# KiCad board LivSynth_Hardware.kicad_pcb
title: Liv Synth; date: 2023-01-23; rev: ${Version}; company: SloBlo Labs
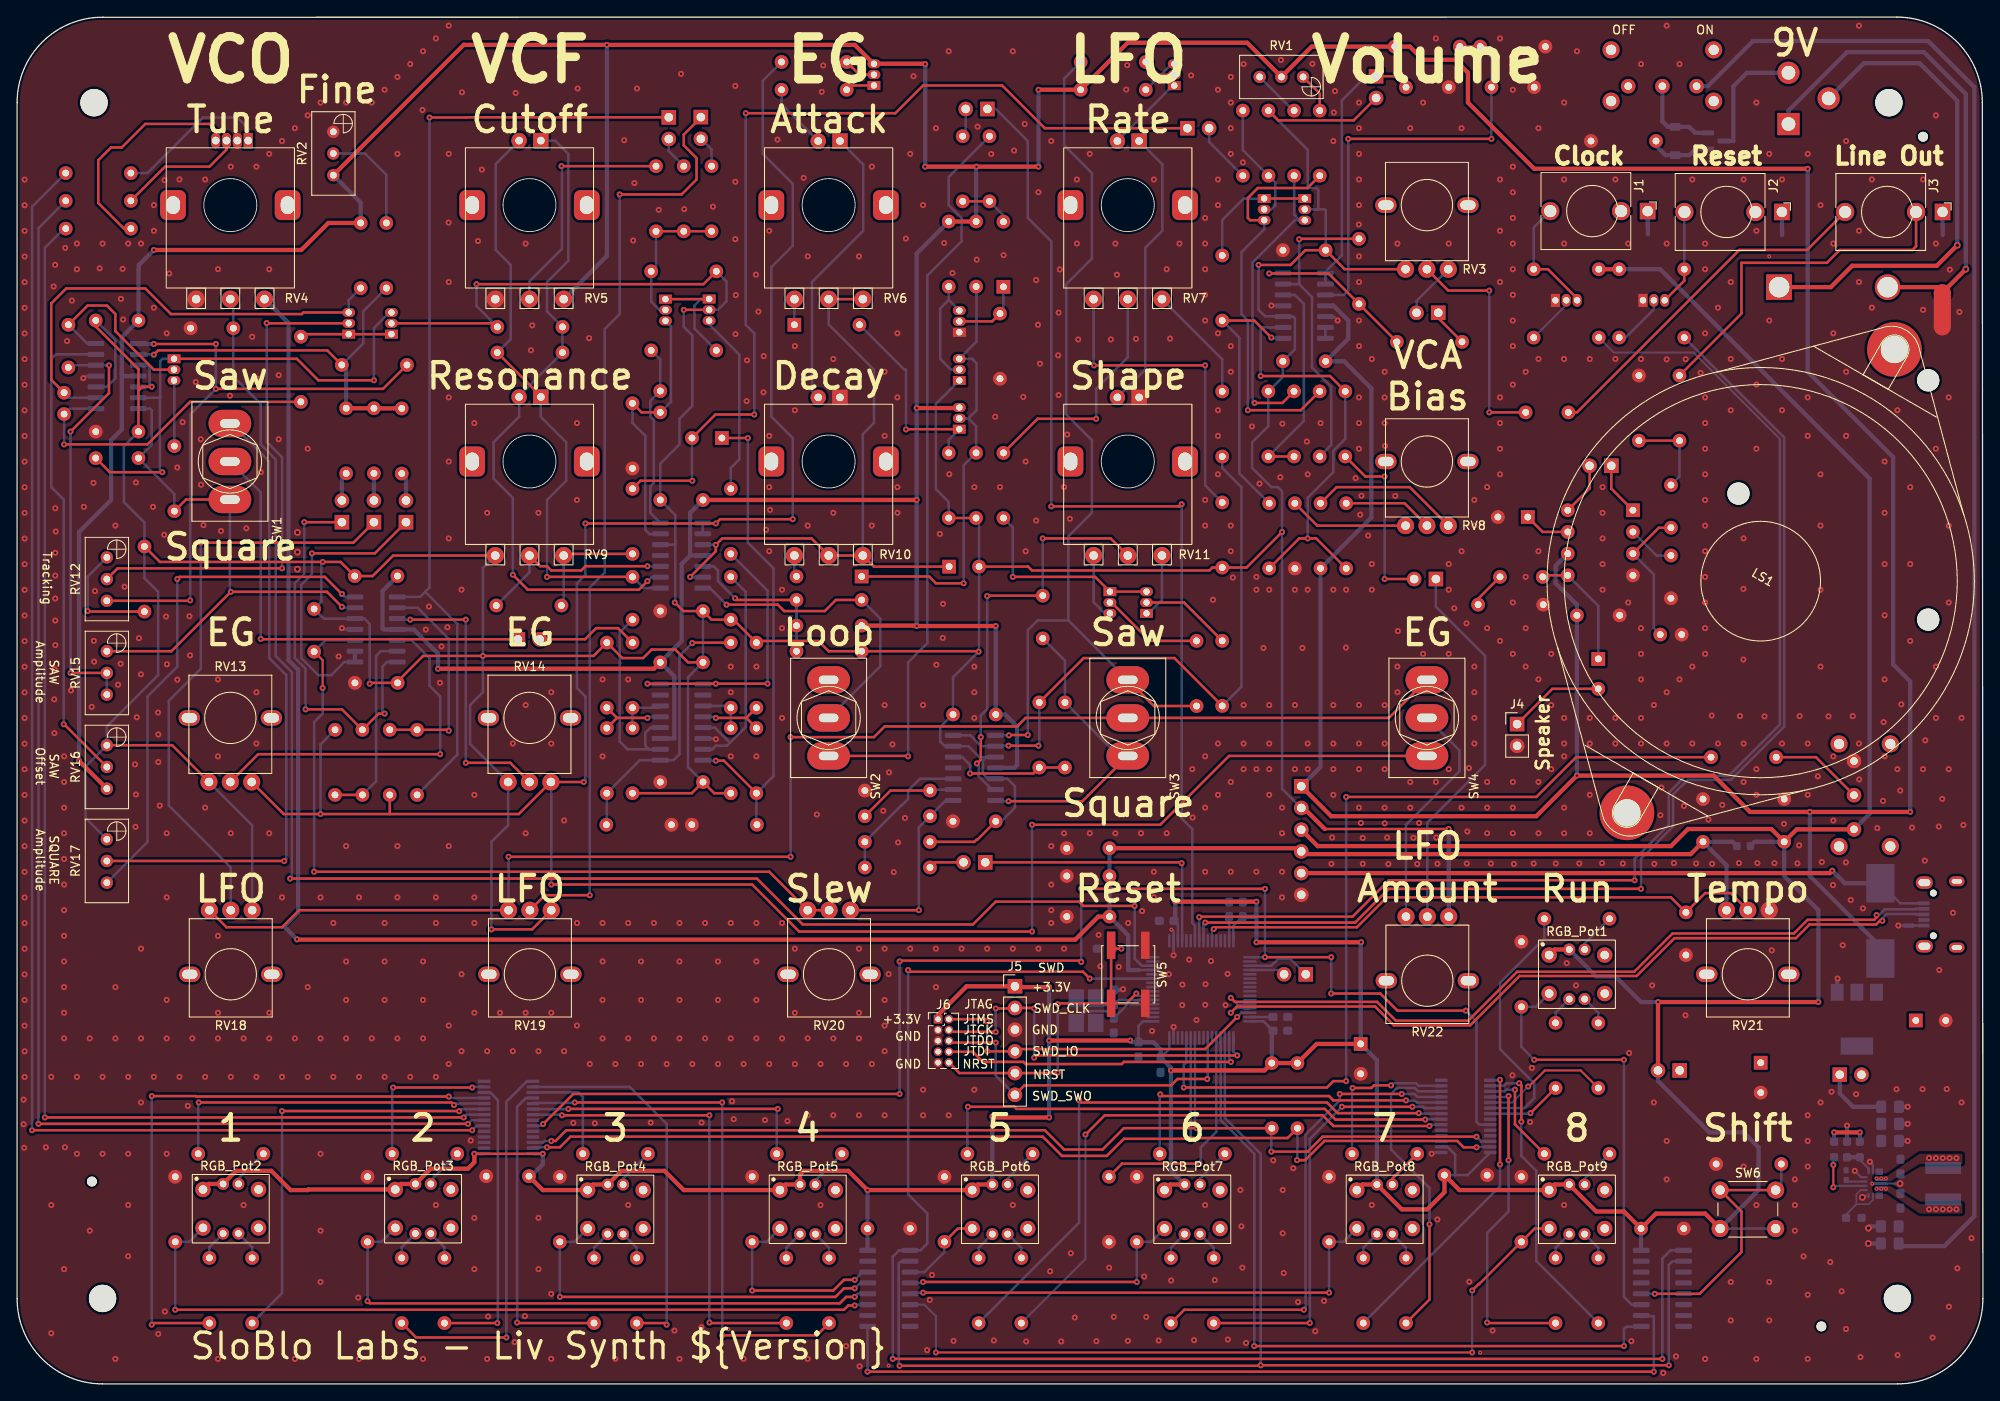
[diagram p0: board, top side]
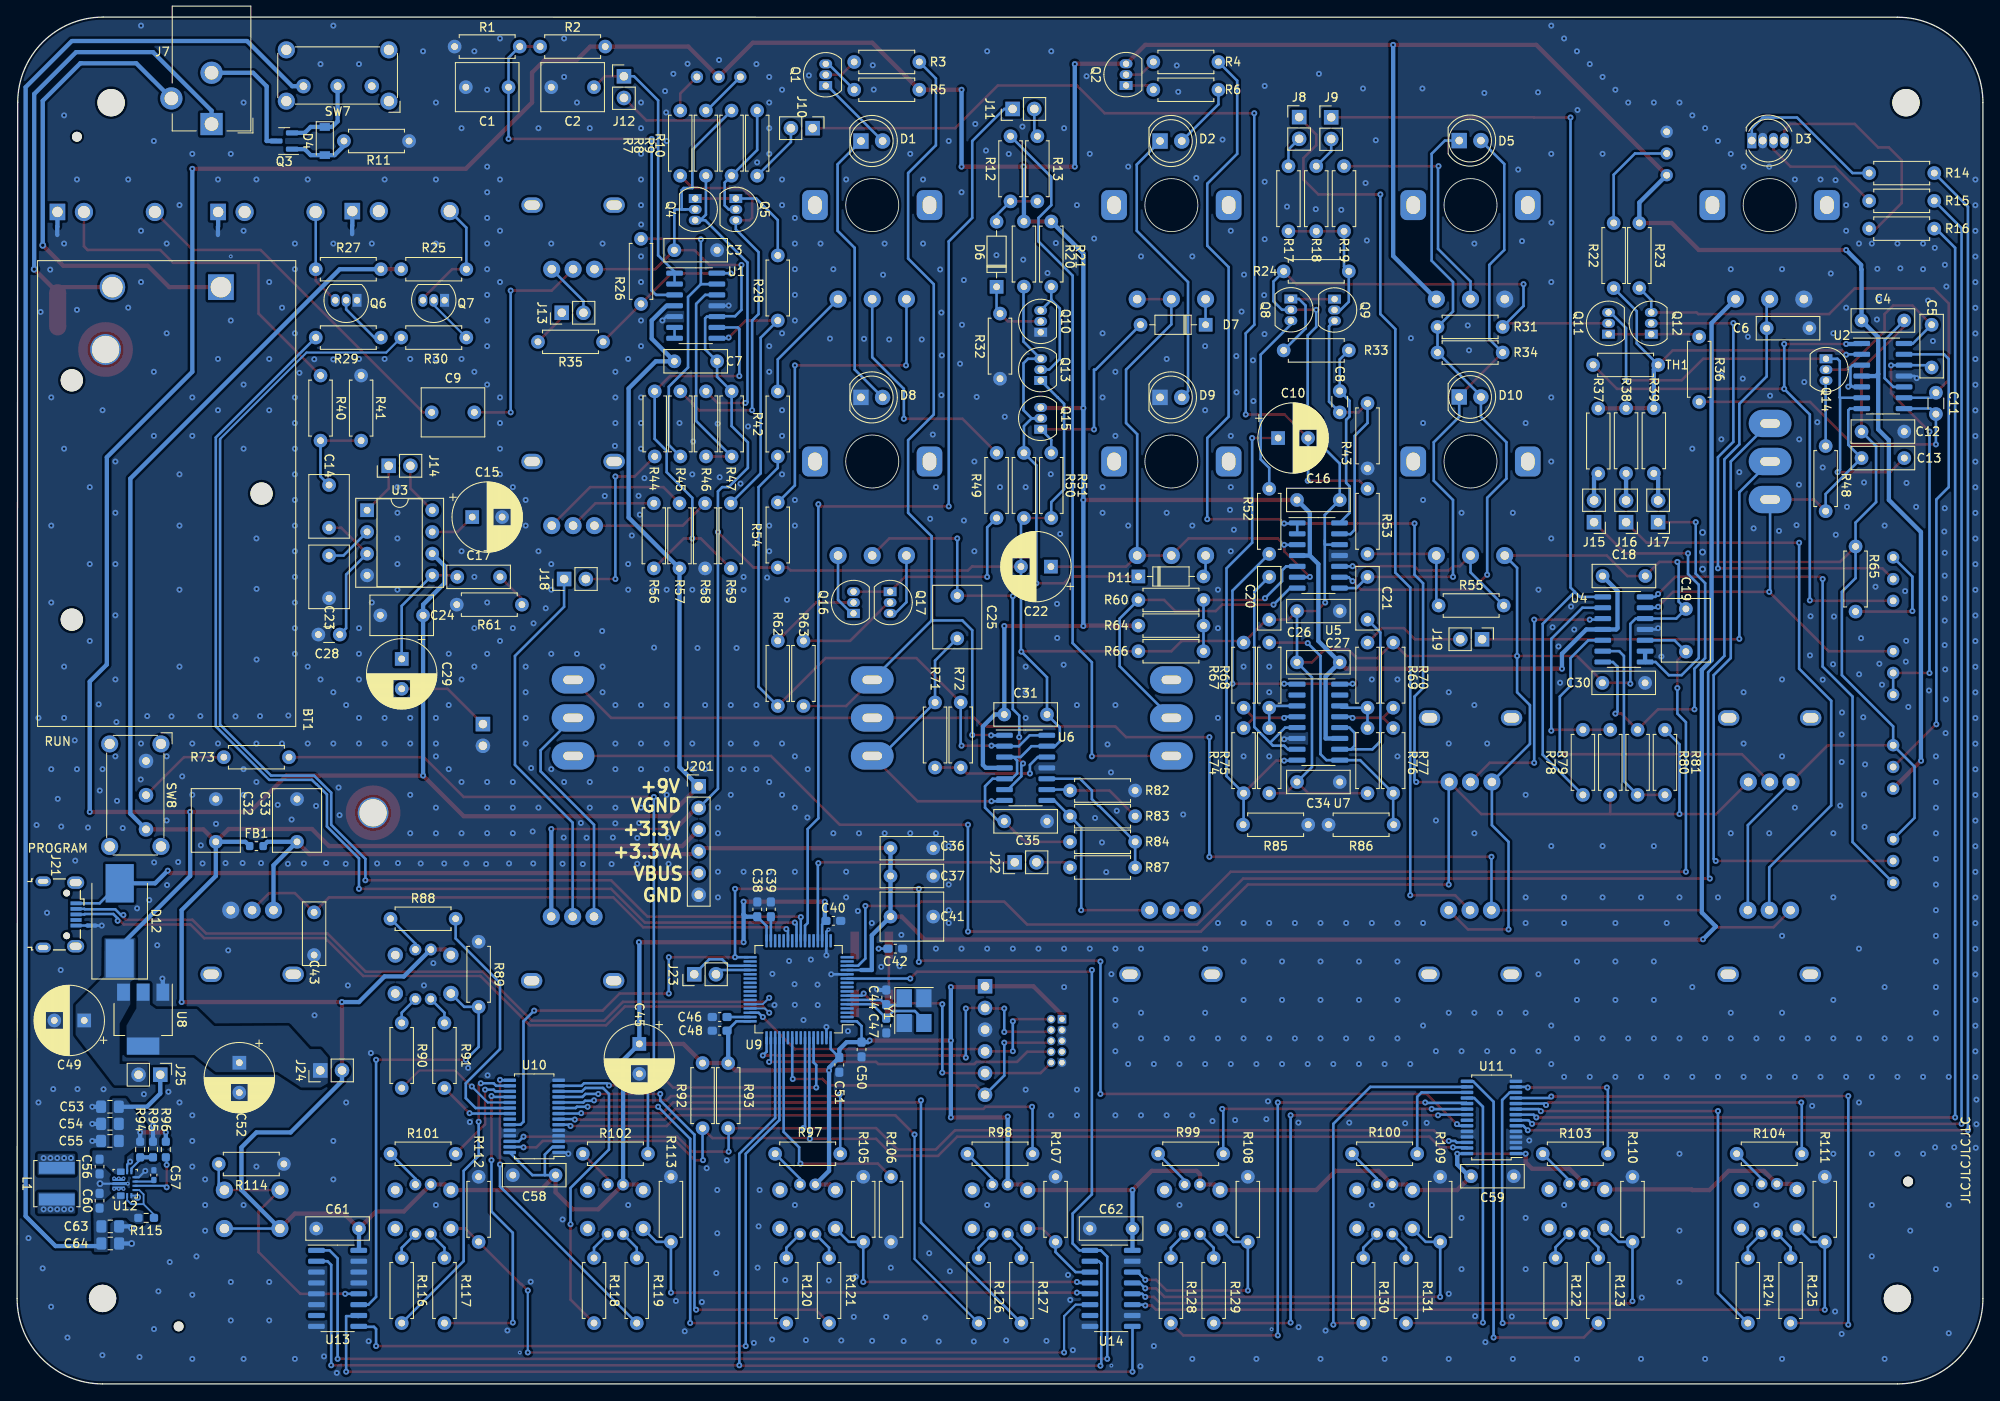
[diagram p1: board, bottom side, seen from below]

Outline 230 x 159.93 mm; copper layers: Top, Bottom. Coordinates in mm from the lower left corner of the outline.
Outline path: 0,149.91 arc(2.93,156.99) 10,159.91 219.93,159.93 arc(227,157) 229.93,149.93 230,10 arc(227.07,2.93) 220,0 10,0 arc(2.93,2.93) 0,10 0,149.91
Stack: Top 0.035mm / dielectric 1.51mm FR4 er 4.5 / Bottom 0.035mm

## Placement (name value [footprint] x y rotation side)
BT1  9V  [BatteryHolder_Eagle_12BH611-GR]  206.15 128.33 90 bottom
C1  1u  [C_Rect_L7.2mm_W5.5mm_P5.00mm_FKS2_FKP2_MKS2_MKP2]  172.5 151.73 0 bottom
C2  1u  [C_Rect_L7.2mm_W5.5mm_P5.00mm_FKS2_FKP2_MKS2_MKP2]  162.5 151.73 0 bottom
C3  100n  [C_Rect_L7.2mm_W2.5mm_P5.00mm_FKS2_FKP2_MKS2_MKP2]  153.1 132.65 180 bottom
C4  100n  [C_Rect_L7.2mm_W2.5mm_P5.00mm_FKS2_FKP2_MKS2_MKP2]  14.2 124.43 180 bottom
C5  1n  [C_Rect_L7.2mm_W2.5mm_P5.00mm_FKS2_FKP2_MKS2_MKP2]  6 118.93 90 bottom
C6  100n  [C_Rect_L7.2mm_W2.5mm_P5.00mm_FKS2_FKP2_MKS2_MKP2]  25.3 123.53 180 bottom
C7  100n  [C_Rect_L7.2mm_W2.5mm_P5.00mm_FKS2_FKP2_MKS2_MKP2]  153.1 119.65 180 bottom
C8  1p  [C_Disc_D3.0mm_W1.6mm_P2.50mm]  75.25 113.68 90 bottom
C9  1u  [C_Rect_L7.2mm_W5.5mm_P5.00mm_FKS2_FKP2_MKS2_MKP2]  181.5 113.68 180 bottom
C10  33u  [CP_Radial_D8.0mm_P3.50mm]  82.46 110.68 180 bottom
C11  1p  [C_Disc_D3.0mm_W1.6mm_P2.50mm]  5.5 115.98 270 bottom
C12  100n  [C_Rect_L7.2mm_W2.5mm_P5.00mm_FKS2_FKP2_MKS2_MKP2]  14.2 111.43 180 bottom
C13  100n  [C_Rect_L7.2mm_W2.5mm_P5.00mm_FKS2_FKP2_MKS2_MKP2]  9.2 108.33 0 bottom
C14  270n  [C_Rect_L7.2mm_W4.5mm_P5.00mm_FKS2_FKP2_MKS2_MKP2]  193.5 105.18 270 bottom
C15  10u  [CP_Radial_D8.0mm_P3.50mm]  176.75 101.43 180 bottom
C16  100n  [C_Rect_L7.2mm_W2.5mm_P5.00mm_FKS2_FKP2_MKS2_MKP2]  80.25 103.43 180 bottom
C17  100n  [C_Rect_L7.2mm_W2.5mm_P5.00mm_FKS2_FKP2_MKS2_MKP2]  178.5 94.43 180 bottom
C18  100n  [C_Rect_L7.2mm_W2.5mm_P5.00mm_FKS2_FKP2_MKS2_MKP2]  44.5 94.53 180 bottom
C19  1u  [C_Rect_L7.2mm_W5.5mm_P5.00mm_FKS2_FKP2_MKS2_MKP2]  34.75 85.68 90 bottom
C20  1n  [C_Rect_L7.2mm_W2.5mm_P5.00mm_FKS2_FKP2_MKS2_MKP2]  83.5 94.43 270 bottom
C21  10n  [C_Rect_L7.2mm_W2.5mm_P5.00mm_FKS2_FKP2_MKS2_MKP2]  72 89.43 90 bottom
C22  10u  [CP_Radial_D8.0mm_P3.50mm]  109.05 95.63 0 bottom
C23  270n  [C_Rect_L7.2mm_W4.5mm_P5.00mm_FKS2_FKP2_MKS2_MKP2]  193.5 91.93 90 bottom
C24  270n  [C_Rect_L7.2mm_W4.5mm_P5.00mm_FKS2_FKP2_MKS2_MKP2]  182.5 89.93 0 bottom
C25  1u  [C_Rect_L7.2mm_W5.5mm_P5.00mm_FKS2_FKP2_MKS2_MKP2]  120 92.23 270 bottom
C26  100n  [C_Rect_L7.2mm_W2.5mm_P5.00mm_FKS2_FKP2_MKS2_MKP2]  80.25 90.43 180 bottom
C27  100n  [C_Rect_L7.2mm_W2.5mm_P5.00mm_FKS2_FKP2_MKS2_MKP2]  75.25 84.43 0 bottom
C28  47p  [C_Disc_D3.0mm_W1.6mm_P2.50mm]  194.75 87.68 180 bottom
C29  470u  [CP_Radial_D8.0mm_P3.50mm]  185 84.83 270 bottom
C30  100n  [C_Rect_L7.2mm_W2.5mm_P5.00mm_FKS2_FKP2_MKS2_MKP2]  44.53 82.03 180 bottom
C31  100n  [C_Rect_L7.2mm_W2.5mm_P5.00mm_FKS2_FKP2_MKS2_MKP2]  114.5 78.33 180 bottom
C32  1u  [C_Rect_L7.2mm_W5.5mm_P5.00mm_FKS2_FKP2_MKS2_MKP2]  206.75 63.43 90 bottom
C33  1u  [C_Rect_L7.2mm_W5.5mm_P5.00mm_FKS2_FKP2_MKS2_MKP2]  197.25 63.43 90 bottom
C34  100n  [C_Rect_L7.2mm_W2.5mm_P5.00mm_FKS2_FKP2_MKS2_MKP2]  80.25 70.43 180 bottom
C35  100n  [C_Rect_L7.2mm_W2.5mm_P5.00mm_FKS2_FKP2_MKS2_MKP2]  114.5 65.83 180 bottom
C36  10n  [C_Rect_L7.2mm_W2.5mm_P5.00mm_FKS2_FKP2_MKS2_MKP2]  127.81 62.68 180 bottom
C37  100n  [C_Rect_L7.2mm_W2.5mm_P5.00mm_FKS2_FKP2_MKS2_MKP2]  127.81 59.43 180 bottom
C38  100n  [C_0603_1608Metric_Pad1.08x0.95mm_HandSolder]  143.4 55.53 90 bottom
C39  2.2u  [C_0603_1608Metric_Pad1.08x0.95mm_HandSolder]  141.81 55.53 90 bottom
C40  100n  [C_0603_1608Metric_Pad1.08x0.95mm_HandSolder]  134.5 54.18 180 bottom
C41  1u  [C_Rect_L7.2mm_W5.5mm_P5.00mm_FKS2_FKP2_MKS2_MKP2]  127.81 54.68 180 bottom
C42  100n  [C_0603_1608Metric_Pad1.08x0.95mm_HandSolder]  127.25 50.93 180 bottom
C43  100n  [C_Rect_L7.2mm_W2.5mm_P5.00mm_FKS2_FKP2_MKS2_MKP2]  195.25 55.18 270 bottom
C44  26p  [C_0603_1608Metric_Pad1.08x0.95mm_HandSolder]  128.31 45.23 90 bottom
C45  10u  [CP_Radial_D8.0mm_P3.50mm]  157.2 39.78 270 bottom
C46  2.2u  [C_0603_1608Metric_Pad1.08x0.95mm_HandSolder]  147.8 42.93 0 bottom
C47  26p  [C_0603_1608Metric_Pad1.08x0.95mm_HandSolder]  128.31 41.93 270 bottom
C48  100n  [C_0603_1608Metric_Pad1.08x0.95mm_HandSolder]  147.8 41.33 0 bottom
C49  10u  [CP_Radial_D8.0mm_P3.50mm]  222.15 42.53 0 bottom
C50  100n  [C_0603_1608Metric_Pad1.08x0.95mm_HandSolder]  131.2 39.13 270 bottom
C51  100n  [C_0603_1608Metric_Pad1.08x0.95mm_HandSolder]  133.8 37.33 270 bottom
C52  22u  [CP_Radial_D8.0mm_P3.50mm]  204 37.58 270 bottom
C53  22u  [C_0805_2012Metric_Pad1.18x1.45mm_HandSolder]  219.14 32.43 0 bottom
C54  22u  [C_0805_2012Metric_Pad1.18x1.45mm_HandSolder]  219.14 30.43 0 bottom
C55  22u  [C_0805_2012Metric_Pad1.18x1.45mm_HandSolder]  219.14 28.43 0 bottom
C56  10u  [C_0603_1608Metric_Pad1.08x0.95mm_HandSolder]  220.35 25.43 270 bottom
C57  100n  [C_0402_1005Metric_Pad0.74x0.62mm_HandSolder]  214 24.43 90 bottom
C58  100n  [C_Rect_L7.2mm_W2.5mm_P5.00mm_FKS2_FKP2_MKS2_MKP2]  167 24.43 0 bottom
C59  100n  [C_Rect_L7.2mm_W2.5mm_P5.00mm_FKS2_FKP2_MKS2_MKP2]  59.89 24.3 180 bottom
C60  10u  [C_0603_1608Metric_Pad1.08x0.95mm_HandSolder]  220.35 21.43 90 bottom
C61  100n  [C_Rect_L7.2mm_W2.5mm_P5.00mm_FKS2_FKP2_MKS2_MKP2]  190 18.18 0 bottom
C62  100n  [C_Rect_L7.2mm_W2.5mm_P5.00mm_FKS2_FKP2_MKS2_MKP2]  99.5 18.18 0 bottom
C63  10u  [C_0805_2012Metric_Pad1.18x1.45mm_HandSolder]  219.1 18.43 180 bottom
C64  10u  [C_0805_2012Metric_Pad1.18x1.45mm_HandSolder]  219.1 16.43 180 bottom
D1  LED  [LED_D5.0mm]  131.28 145.43 180 bottom
D2  LED  [LED_D5.0mm]  96.28 145.43 180 bottom
D3  LED_RKGB  [LED_D5.0mm-4_RGB]  27.04 145.48 180 bottom
D4  8V2  [D_SOD-123]  194 145.43 270 bottom
D5  LED  [LED_D5.0mm]  61.28 145.48 180 bottom
D6  1N4148  [D_DO-35_SOD27_P7.62mm_Horizontal]  115.4 128.37 90 bottom
D7  1N4148  [D_DO-35_SOD27_P7.62mm_Horizontal]  90.94 123.93 0 bottom
D8  LED  [LED_D5.0mm]  131.28 115.43 180 bottom
D9  LED  [LED_D5.0mm]  96.28 115.43 180 bottom
D10  LED  [LED_D5.0mm]  61.28 115.48 180 bottom
D11  1N4148  [D_DO-35_SOD27_P7.62mm_Horizontal]  98.81 94.48 180 bottom
D12  SS310  [D_SMC_Handsoldering]  218 54.18 90 bottom
FB1  120R@100MHz  [L_0603_1608Metric]  202 62.93 0 bottom
H1  MountingHole  [MountingHole_3.2mm_M3]  9 149.91 0 top
H2  MountingHole  [MountingHole_3.2mm_M3]  219 149.91 0 top
H3  JLCPCB_Toolinghole  [JLCPCB_ToolingHole]  223 145.93 0 top
H4  JLCPCB_Toolinghole  [JLCPCB_ToolingHole]  8.75 23.68 0 top
H5  MountingHole  [MountingHole_3.2mm_M3]  10 10 0 top
H6  MountingHole  [MountingHole_3.2mm_M3]  220 10 0 top
H7  JLCPCB_Toolinghole  [JLCPCB_ToolingHole]  211.1 6.73 0 top
J1  PJ398SM  [Thonkiconn_PJ398SM]  184.3 137.23 270 top
J2  PJ398SM  [Thonkiconn_PJ398SM]  200 137.13 270 top
J3  PJ398SM  [Thonkiconn_PJ398SM]  218.8 137.13 270 top
J4  IDC  [PinHeader_1x02_P2.54mm_Vertical]  175.5 77.2 0 top
J5  SWD  [PinHeader_1x06_P2.54mm_Vertical]  116.75 46.53 0 top
J6  JTAG  [PinHeader_2x05_P1.27mm_Vertical]  107.75 42.68 0 top
J7  Barrel_Jack_Switch  [BarrelJack_CUI_PJ-102AH_Horizontal]  207.25 147.41 0 bottom
J8  Jumper  [PinHeader_1x02_P2.54mm_Vertical]  80 148.22 180 bottom
J9  Jumper  [PinHeader_1x02_P2.54mm_Vertical]  76.25 148.2 180 bottom
J10  Jumper  [PinHeader_1x02_P2.54mm_Vertical]  136.93 146.93 270 bottom
J11  Jumper  [PinHeader_1x02_P2.54mm_Vertical]  113.53 149.18 90 bottom
J12  VGND  [PinHeader_1x02_P2.54mm_Vertical]  159 153 180 bottom
J13  Jumper  [PinHeader_1x02_P2.54mm_Vertical]  166.28 125.33 90 bottom
J14  Jumper  [PinHeader_1x02_P2.54mm_Vertical]  186.52 107.43 90 bottom
J15  Jumper  [PinHeader_1x02_P2.54mm_Vertical]  45.5 100.83 0 bottom
J16  Jumper  [PinHeader_1x02_P2.54mm_Vertical]  41.75 100.83 0 bottom
J17  Jumper  [PinHeader_1x02_P2.54mm_Vertical]  38 100.83 0 bottom
J18  Jumper  [PinHeader_1x02_P2.54mm_Vertical]  166 94.18 90 bottom
J19  Jumper  [PinHeader_1x02_P2.54mm_Vertical]  58.6 87.13 270 bottom
J21  USB_B_Micro  [USB_Micro-B_Wuerth_629105150521]  225 54.93 270 bottom
J22  Jumper  [PinHeader_1x02_P2.54mm_Vertical]  113.28 61.03 90 bottom
J23  Debug  [PinHeader_1x02_P2.54mm_Vertical]  150.78 47.93 90 bottom
J24  3V3  [PinHeader_1x02_P2.54mm_Vertical]  194.52 36.68 90 bottom
J25  9V  [PinHeader_1x02_P2.54mm_Vertical]  213.25 36.18 270 bottom
J201  Test Points  [PinHeader_1x06_P2.54mm_Vertical]  150.25 69.93 180 bottom
L1  1u5  [L_Sunlord_SWPA5020S]  225.35 23.43 90 bottom
LS1  LSM-50M/NO-B 8R (<32R) 1W  [LSM-50M NO-B]  204 93.93 330 top
NT1  NetTie_2  [NetTie-2_SMD_Pad2.0mm]  225.25 125.68 90 top
NT2  NetTie_2  [NetTie-2_SMD_Pad0.5mm_noCourtyard]  225.3 134.93 90 bottom
NT3  NetTie_2  [NetTie-2_SMD_Pad0.5mm_noCourtyard]  206.5 134.93 90 bottom
NT4  NetTie_2  [NetTie-2_SMD_Pad0.5mm_noCourtyard]  190.8 135.03 90 bottom
NT5  NetTie_2  [NetTie-2_SMD_Pad0.5mm_noCourtyard]  221.3 53.63 0 bottom
Q1  2N3904  [TO-92_Inline]  135.39 151.91 90 bottom
Q2  2N3904  [TO-92_Inline]  100.25 151.93 90 bottom
Q3  AO3401A  [SOT-23]  198.75 145.43 0 bottom
Q4  2N3904  [TO-92_Inline]  145.91 138.7 270 bottom
Q5  2N3904  [TO-92_Inline]  150.66 138.7 270 bottom
Q6  2N3904  [TO-92_Inline]  190.23 126.79 0 bottom
Q7  2N3904  [TO-92_Inline]  179.98 126.79 0 bottom
Q8  2N3906  [TO-92_Inline]  80.97 126.95 270 bottom
Q9  2N3906  [TO-92_Inline]  75.86 126.93 270 bottom
Q10  2N3904  [TO-92_Inline]  110.24 123.05 90 bottom
Q11  2N3904  [TO-92_Inline]  43.8 122.83 90 bottom
Q12  2N3904  [TO-92_Inline]  38.8 122.83 90 bottom
Q13  2N3904  [TO-92_Inline]  110.24 117.41 90 bottom
Q14  2N3904  [TO-92_Inline]  18.36 119.95 270 bottom
Q15  2N3904  [TO-92_Inline]  110.24 111.71 90 bottom
Q16  2N3904  [TO-92_Inline]  132.14 90.16 90 bottom
Q17  2N3904  [TO-92_Inline]  127.86 92.7 270 bottom
R1  100K  [R_Axial_DIN0207_L6.3mm_D2.5mm_P7.62mm_Horizontal]  171.19 156.48 0 bottom
R2  100K  [R_Axial_DIN0207_L6.3mm_D2.5mm_P7.62mm_Horizontal]  161.19 156.48 0 bottom
R3  100K  [R_Axial_DIN0207_L6.3mm_D2.5mm_P7.62mm_Horizontal]  132.06 154.68 180 bottom
R4  100K  [R_Axial_DIN0207_L6.3mm_D2.5mm_P7.62mm_Horizontal]  97.06 154.68 180 bottom
R5  360  [R_Axial_DIN0207_L6.3mm_D2.5mm_P7.62mm_Horizontal]  124.44 151.43 0 bottom
R6  360  [R_Axial_DIN0207_L6.3mm_D2.5mm_P7.62mm_Horizontal]  97.06 151.43 180 bottom
R7  20K  [R_Axial_DIN0207_L6.3mm_D2.5mm_P7.62mm_Horizontal]  152.41 148.99 270 bottom
R8  390  [R_Axial_DIN0207_L6.3mm_D2.5mm_P7.62mm_Horizontal]  146.41 141.37 90 bottom
R9  20K  [R_Axial_DIN0207_L6.3mm_D2.5mm_P7.62mm_Horizontal]  149.41 148.99 270 bottom
R10  100K  [R_Axial_DIN0207_L6.3mm_D2.5mm_P7.62mm_Horizontal]  143.41 141.37 90 bottom
R11  100K  [R_Axial_DIN0207_L6.3mm_D2.5mm_P7.62mm_Horizontal]  191.76 145.43 180 bottom
R12  100K  [R_Axial_DIN0207_L6.3mm_D2.5mm_P7.62mm_Horizontal]  113.77 138.37 90 bottom
R13  100K  [R_Axial_DIN0207_L6.3mm_D2.5mm_P7.62mm_Horizontal]  110.63 145.99 270 bottom
R14  220R  [R_Axial_DIN0207_L6.3mm_D2.5mm_P7.62mm_Horizontal]  13.31 141.68 180 bottom
R15  1K  [R_Axial_DIN0207_L6.3mm_D2.5mm_P7.62mm_Horizontal]  13.31 138.43 180 bottom
R16  1K  [R_Axial_DIN0207_L6.3mm_D2.5mm_P7.62mm_Horizontal]  13.31 135.18 180 bottom
R17  47K  [R_Axial_DIN0207_L6.3mm_D2.5mm_P7.62mm_Horizontal]  81.25 142.49 270 bottom
R18  47K  [R_Axial_DIN0207_L6.3mm_D2.5mm_P7.62mm_Horizontal]  78 142.49 270 bottom
R19  100K  [R_Axial_DIN0207_L6.3mm_D2.5mm_P7.62mm_Horizontal]  74.75 142.49 270 bottom
R20  82K  [R_Axial_DIN0207_L6.3mm_D2.5mm_P7.62mm_Horizontal]  112.2 136.01 270 bottom
R21  100K  [R_Axial_DIN0207_L6.3mm_D2.5mm_P7.62mm_Horizontal]  109 136.01 270 bottom
R22  100K  [R_Axial_DIN0207_L6.3mm_D2.5mm_P7.62mm_Horizontal]  43.2 135.84 270 bottom
R23  20K  [R_Axial_DIN0207_L6.3mm_D2.5mm_P7.62mm_Horizontal]  40.2 135.84 270 bottom
R24  2K  [R_Axial_DIN0207_L6.3mm_D2.5mm_P7.62mm_Horizontal]  74.19 130.18 0 bottom
R25  1K  [R_Axial_DIN0207_L6.3mm_D2.5mm_P7.62mm_Horizontal]  185.06 130.43 180 bottom
R26  100K  [R_Axial_DIN0207_L6.3mm_D2.5mm_P7.62mm_Horizontal]  157 126.37 90 bottom
R27  1K  [R_Axial_DIN0207_L6.3mm_D2.5mm_P7.62mm_Horizontal]  187.44 130.43 0 bottom
R28  4K7  [R_Axial_DIN0207_L6.3mm_D2.5mm_P7.62mm_Horizontal]  141 132.04 270 bottom
R29  10K  [R_Axial_DIN0207_L6.3mm_D2.5mm_P7.62mm_Horizontal]  195.06 122.43 180 bottom
R30  10K  [R_Axial_DIN0207_L6.3mm_D2.5mm_P7.62mm_Horizontal]  185.06 122.43 180 bottom
R31  2K  [R_Axial_DIN0207_L6.3mm_D2.5mm_P7.62mm_Horizontal]  63.81 123.68 180 bottom
R32  100K  [R_Axial_DIN0207_L6.3mm_D2.5mm_P7.62mm_Horizontal]  115 125.24 270 bottom
R33  2K  [R_Axial_DIN0207_L6.3mm_D2.5mm_P7.62mm_Horizontal]  81.81 120.93 180 bottom
R34  10K  [R_Axial_DIN0207_L6.3mm_D2.5mm_P7.62mm_Horizontal]  56.19 120.68 0 bottom
R35  1K  [R_Axial_DIN0207_L6.3mm_D2.5mm_P7.62mm_Horizontal]  161.44 121.93 0 bottom
R36  2K  [R_Axial_DIN0207_L6.3mm_D2.5mm_P7.62mm_Horizontal]  33.2 122.53 270 bottom
R37  100K  [R_Axial_DIN0207_L6.3mm_D2.5mm_P7.62mm_Horizontal]  45 106.52 90 bottom
R38  100K  [R_Axial_DIN0207_L6.3mm_D2.5mm_P7.62mm_Horizontal]  41.75 106.54 90 bottom
R39  100K  [R_Axial_DIN0207_L6.3mm_D2.5mm_P7.62mm_Horizontal]  38.5 106.54 90 bottom
R40  100K  [R_Axial_DIN0207_L6.3mm_D2.5mm_P7.62mm_Horizontal]  194.5 117.99 270 bottom
R41  6K2  [R_Axial_DIN0207_L6.3mm_D2.5mm_P7.62mm_Horizontal]  189.75 110.37 90 bottom
R42  2K  [R_Axial_DIN0207_L6.3mm_D2.5mm_P7.62mm_Horizontal]  141 108.51 90 bottom
R43  470K  [R_Axial_DIN0207_L6.3mm_D2.5mm_P7.62mm_Horizontal]  72 107.12 90 bottom
R44  100K  [R_Axial_DIN0207_L6.3mm_D2.5mm_P7.62mm_Horizontal]  155.4 108.52 90 bottom
R45  1K  [R_Axial_DIN0207_L6.3mm_D2.5mm_P7.62mm_Horizontal]  152.4 116.14 270 bottom
R46  1K  [R_Axial_DIN0207_L6.3mm_D2.5mm_P7.62mm_Horizontal]  149.4 116.14 270 bottom
R47  100K  [R_Axial_DIN0207_L6.3mm_D2.5mm_P7.62mm_Horizontal]  146.4 116.14 270 bottom
R48  1K  [R_Axial_DIN0207_L6.3mm_D2.5mm_P7.62mm_Horizontal]  18.4 109.74 270 bottom
R49  820K  [R_Axial_DIN0207_L6.3mm_D2.5mm_P7.62mm_Horizontal]  112.2 108.94 270 bottom
R50  100R  [R_Axial_DIN0207_L6.3mm_D2.5mm_P7.62mm_Horizontal]  115.4 108.94 270 bottom
R51  100K  [R_Axial_DIN0207_L6.3mm_D2.5mm_P7.62mm_Horizontal]  109 108.94 270 bottom
R52  4K7  [R_Axial_DIN0207_L6.3mm_D2.5mm_P7.62mm_Horizontal]  83.5 97.12 90 bottom
R53  8K2  [R_Axial_DIN0207_L6.3mm_D2.5mm_P7.62mm_Horizontal]  72 104.74 270 bottom